# Altium PCB Plog_v1.PcbDoc (part 2 of 2)
Units mil, origin at the board's own origin, x right, y up, seen from the top; angles counter-clockwise.
Board outline 3927.17 x 3149.61 mil, 2 copper layers (Top Layer, Bottom Layer); 149 components, 99 nets, 494 pads, 571 vias.
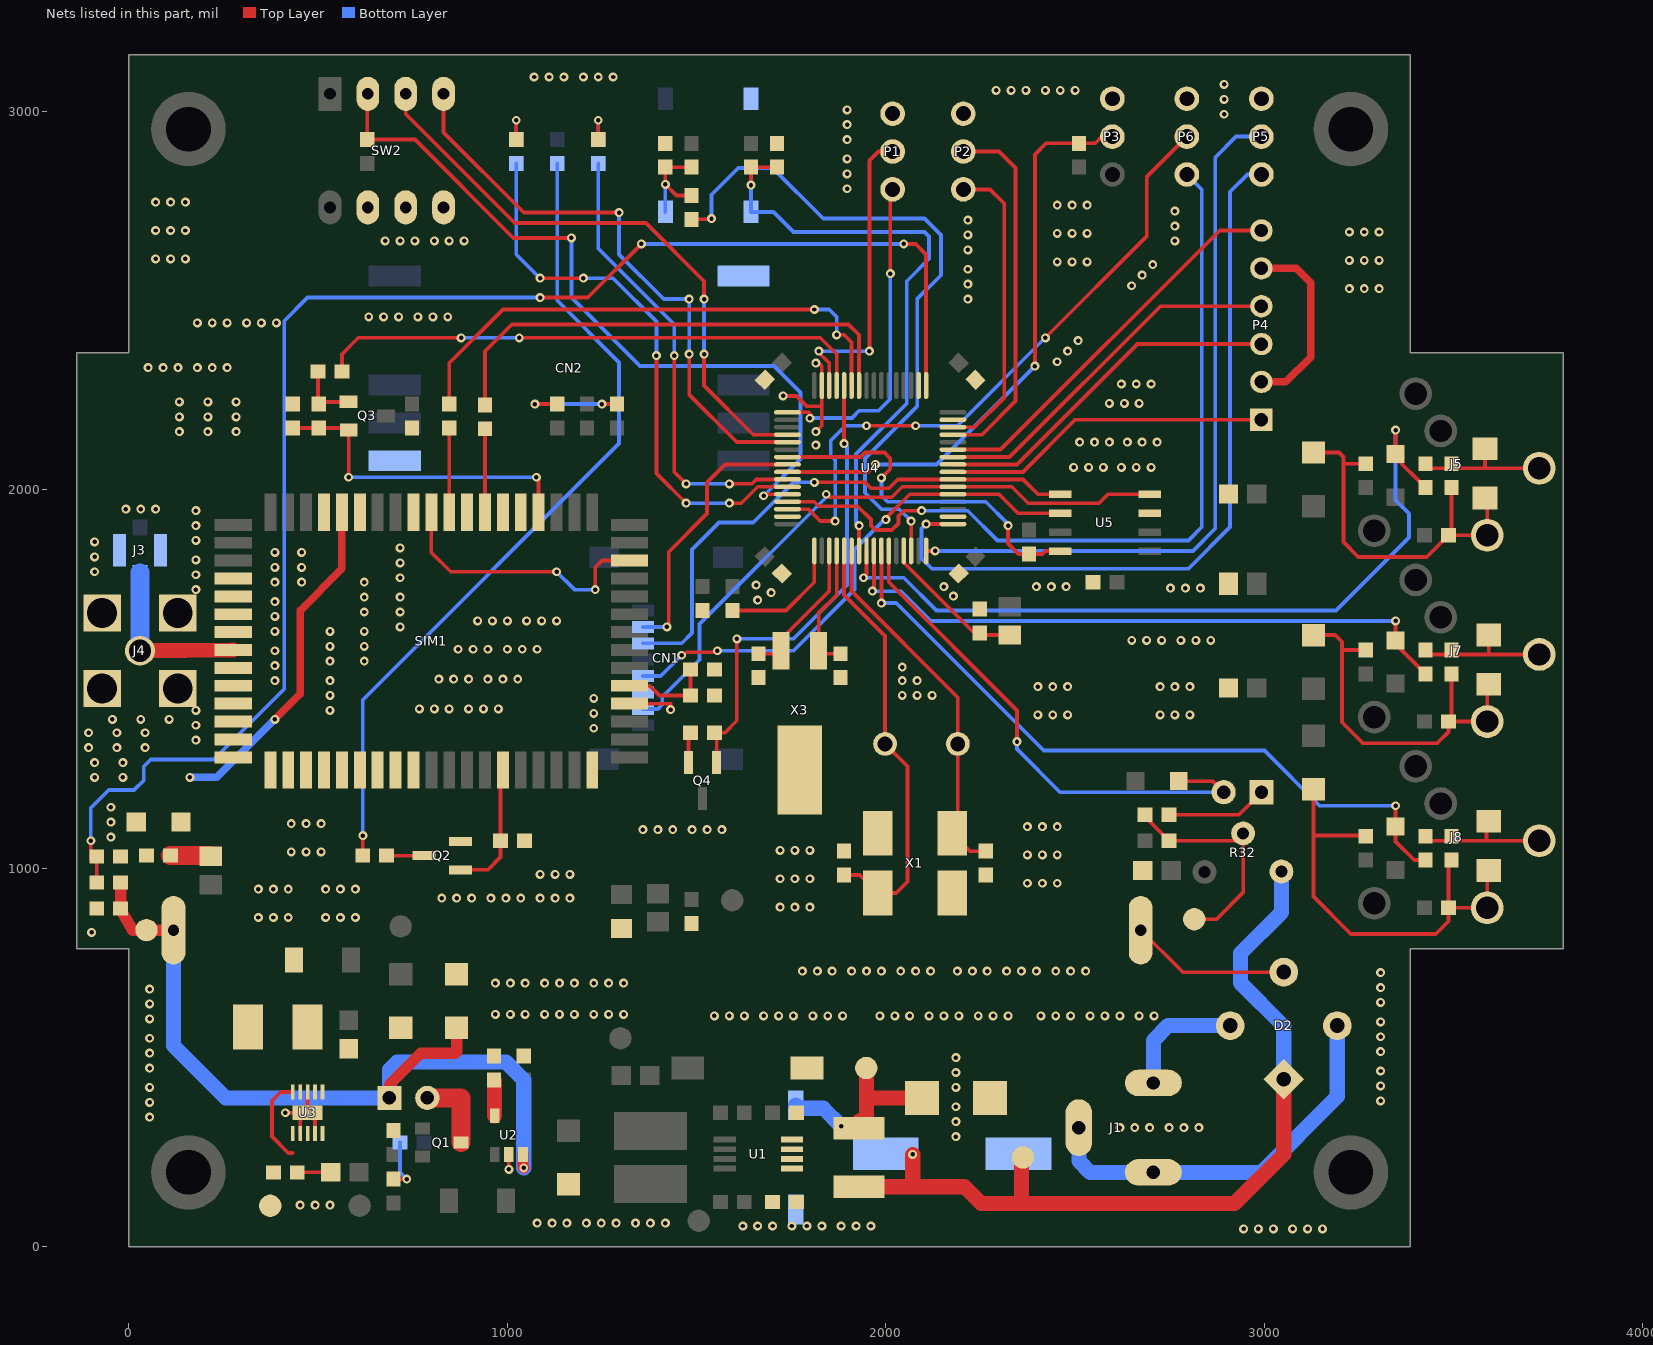
[diagram p2: the nets of this part, all layers, seen from the top]

## Via types
v1: diameter 23.62, hole 11.81, Top Layer to Bottom Layer, tented both sides, 571 vias

## Nets (pads, with @x,y where several pads share a name; then routed paths per layer and width w, separated by ;. In a path a pad name is that pad's centre, name@x,y a point inside that pad or via, vN(x,y) a via of type N, cw(c..) or ccw(c..) an arc to the next point about the centre after c; other vN are vias at no path point) (continued)
GND: BT1.2 C1.2 C2.2 C3.2 C4.2 C6.2 C7.2 C8.2 C9.2 C10.2 C11.2 C12.2 C13.2 C14.2 C15.1 C16.1 C17.1 C18.2 C19.2 C20.2 C21.2 C22.1 C23.2 C24.2 C25.2 C27.2 C28.2 C29.1 C30.2 C31.2 C32.2 CN1.6 CN2.4 CN2.5 D1.1 D2.3 D4.1 J3.P$1 J3.P$2 J4.1 J4.3 J4.4 J4.5 L6.2 P1.1 P2.1 P3.3 P4.2 P4.5 P5.1 P6.1 Q2.2 Q4.2 R4.2 R5.2 R8.2 R17.1 R21.1 R26.1 R28.1 R30.1 R43.2 R44.2 R46.2 RST.1 SIM1.4 SIM1.6 SIM1.9 SIM1.34 SIM1.44 SIM1.45 SIM1.46 SIM1.47 SIM1.48 SIM1.49 SIM1.50 SIM1.51 SIM1.52 SIM1.54 SIM1.55 SIM1.56 SIM1.57 SIM1.58 SIM1.60 SIM1.61 SIM1.62 SIM1.63 SW2.5 SW2.6 SW2.7 TP5.1 U1.1 U1.4 U2.2 U3.3 U3.7 U3.9 U4.18 U4.31 U4.47 U4.63 U5.7 X1.2 X1.4 X3.3 | length 1864.3
  Top Layer w10: v1(413.39,354.33) U3.3@472.44,354.33 ; U3.7@452.76,299.21 452.76,334.65 U3.3@472.44,354.33 ; U3.3@472.44,409.45 U3.3@472.44,354.33 ; U3.9@492.13,299.21 492.13,334.64 U3.3@472.44,354.33 ; v1(1003.94,204.72) U2.2@1003.94,244.09 ; v1(1072.83,2226.38) C32.2@1131.89,2226.38 ; v1(1250,2226.38) C31.2@1289.37,2226.38 ; Q4.2@1478.35,1279.53 R26.1@1478.35,1352.36 ; v1(1728.35,2248.03) 1763.78,2248.03 1791.34,2220.47 1830.71,2220.47 ; v1(1814.96,2153.54) 1830.71,2169.29 1830.71,2220.47 ; v1(1814.96,2334.65) 1822.83,2334.65 1830.71,2326.77 U4.47@1830.71,2275.59 1830.71,2220.47 ; BT1.2@2673.23,836.61 2784.08,725.76 D2.3@3051.18,725.76
  Top Layer w20: P4.2@2992.13,2285.04 3056.69,2285.04 3122.05,2350.39 3122.05,2547.24 3084.25,2585.04 P4.5@2992.13,2585.04
  Bottom Layer w10: v1(1072.83,2226.38) v1(1250,2226.38)
  other v1: 2944.88,47.24 2984.25,47.24 3023.62,47.24 3074.8,47.24 3114.17,47.24 3153.54,47.24 1622.05,55.12 1661.42,55.12 1700.79,55.12 1751.97,55.12 1791.34,55.12 1830.71,55.12 1881.89,55.12 1921.26,55.12 1960.63,55.12 1078.74,62.99 1118.11,62.99 1157.48,62.99 1208.66,62.99 1248.03,62.99 1287.4,62.99 1338.58,62.99 1377.95,62.99 1417.32,62.99 452.76,110.24 492.13,110.24 531.5,110.24 2185.04,291.34 2618.11,314.96 2657.48,314.96 2696.85,314.96 2748.03,314.96 2787.4,314.96 2826.77,314.96 2185.04,330.71 55.12,342.52 2185.04,370.08 55.12,381.89 3307.09,385.83 55.12,421.26 2185.04,421.26 3307.09,425.2 2185.04,460.63 3307.09,464.57 55.12,472.44 2185.04,500 55.12,511.81 3307.09,515.75 55.12,551.18 3307.09,555.12 3307.09,594.49 55.12,602.36 1547.24,610.24 1586.61,610.24 1625.98,610.24 1677.17,610.24 1716.54,610.24 1755.91,610.24 1807.09,610.24 1846.46,610.24 1885.83,610.24 1984.25,610.24 2023.62,610.24 2062.99,610.24 2114.17,610.24 2153.54,610.24 2192.91,610.24 2244.09,610.24 2283.46,610.24 2322.83,610.24 2409.45,610.24 2448.82,610.24 2488.19,610.24 2539.37,610.24 2578.74,610.24 2618.11,610.24 2669.29,610.24 2708.66,610.24 968.5,614.17 1007.87,614.17 1047.24,614.17 1098.43,614.17 1137.8,614.17 1177.17,614.17 1228.35,614.17 1267.72,614.17 1307.09,614.17 55.12,641.73 3307.09,645.67 55.12,681.1 3307.09,685.04 968.5,696.85 1007.87,696.85 1047.24,696.85 1098.43,696.85 1137.8,696.85 1177.17,696.85 1228.35,696.85 1267.72,696.85 1307.09,696.85 3307.09,724.41 1779.53,728.35 1818.9,728.35 1858.27,728.35 1909.45,728.35 1948.82,728.35 1988.19,728.35 2039.37,728.35 2078.74,728.35 2118.11,728.35 2188.98,728.35 2228.35,728.35 2267.72,728.35 2318.9,728.35 2358.27,728.35 2397.64,728.35 2448.82,728.35 2488.19,728.35 2527.56,728.35 -98.43,830.71 342.52,870.08 381.89,870.08 421.26,870.08 519.68,870.08 559.06,870.08 598.43,870.08 1720.47,897.64 1759.84,897.64 1799.21,897.64 826.77,921.26 866.14,921.26 905.51,921.26 956.69,921.26 996.06,921.26 1035.43,921.26 1086.61,921.26 1125.98,921.26 1165.35,921.26 342.52,944.88 381.89,944.88 421.26,944.88 519.68,944.88 559.06,944.88 598.43,944.88 2374.02,960.63 2413.39,960.63 2452.76,960.63 1720.47,972.44 1759.84,972.44 1799.21,972.44 1086.61,984.25 1125.98,984.25 1165.35,984.25 2374.02,1035.43 2413.39,1035.43 2452.76,1035.43 429.13,1043.31 468.5,1043.31 507.87,1043.31 1720.47,1047.24 1759.84,1047.24 1799.21,1047.24 -47.24,1082.68 1358.27,1102.36 1397.64,1102.36 1437.01,1102.36 1488.19,1102.36 1527.56,1102.36 1566.93,1102.36 2374.02,1110.24 2413.39,1110.24 2452.76,1110.24 429.13,1118.11 468.5,1118.11 507.87,1118.11 -47.24,1122.05 -47.24,1161.42 -90.55,1240.16 -15.75,1240.16 -90.55,1279.53 -15.75,1279.53 -106.3,1318.9 -31.5,1318.9 43.31,1318.9 177.17,1338.58 -106.3,1358.27 -31.5,1358.27 43.31,1358.27 1228.35,1370.08 177.17,1377.95 -43.31,1393.7 31.5,1393.7 106.3,1393.7 2401.57,1405.51 2440.94,1405.51 2480.31,1405.51 2724.41,1405.51 2763.78,1405.51 2803.15,1405.51 1228.35,1409.45 177.17,1417.32 531.5,1417.32 767.72,1421.26 807.09,1421.26 846.46,1421.26 897.64,1421.26 937.01,1421.26 976.38,1421.26 1228.35,1448.82 531.5,1456.69 2043.31,1456.69 2082.68,1456.69 2122.05,1456.69 2401.57,1480.32 2440.94,1480.32 2480.31,1480.32 2724.41,1480.32 2763.78,1480.32 2803.15,1480.32 385.83,1496.06 531.5,1496.06 2043.31,1496.06 2082.68,1496.06 818.9,1500 858.27,1500 897.64,1500 948.82,1500 988.19,1500 1027.56,1500 2043.31,1531.5 385.83,1535.43 531.5,1547.24 622.05,1547.24 385.83,1574.8 870.08,1578.74 909.45,1578.74 948.82,1578.74 1000,1578.74 1039.37,1578.74 1078.74,1578.74 531.5,1586.61 622.05,1586.61 2649.61,1602.36 2688.98,1602.36 2728.35,1602.36 2779.53,1602.36 2818.9,1602.36 2858.27,1602.36 385.83,1625.98 531.5,1625.98 622.05,1625.98 716.54,1637.8 921.26,1653.54 960.63,1653.54 1000,1653.54 1051.18,1653.54 1090.55,1653.54 1129.92,1653.54 385.83,1665.35 622.05,1677.17 716.54,1677.17 385.83,1704.72 1661.42,1708.66 622.05,1716.54 716.54,1716.54 2178.6,1719.04 1696.85,1728.35 177.17,1736.22 2751.97,1740.16 2791.34,1740.16 2830.71,1740.16 2153.54,1744.09 2397.64,1744.09 2437.01,1744.09 2476.38,1744.09 1657.48,1748.03 385.83,1755.91 456.69,1755.91 622.05,1755.91 716.54,1767.72 177.17,1775.59 -90.55,1783.46 385.83,1795.28 456.69,1795.28 716.54,1807.09 177.17,1814.96 -90.55,1822.83 385.83,1834.65 456.69,1834.65 716.54,1846.46 -90.55,1862.2 177.17,1866.14 177.17,1905.51 177.17,1944.88 -7.87,1948.82 31.5,1948.82 70.87,1948.82 2496.06,2059.06 2535.43,2059.06 2574.8,2059.06 2622.05,2059.06 2661.42,2059.06 2700.79,2059.06 1814.96,2118.11 2511.81,2125.98 2551.18,2125.98 2590.55,2125.98 2637.8,2125.98 2677.17,2125.98 2716.54,2125.98 133.86,2153.54 208.66,2153.54 283.46,2153.54 133.86,2192.91 208.66,2192.91 283.46,2192.91 2590.55,2228.35 2629.92,2228.35 2669.29,2228.35 133.86,2232.28 208.66,2232.28 283.46,2232.28 2622.05,2279.53 2661.42,2279.53 2700.79,2279.53 51.18,2322.83 90.55,2322.83 129.92,2322.83 181.1,2322.83 220.47,2322.83 259.84,2322.83 2452.48,2338.3 2480.31,2366.14 2508.15,2393.98 181.1,2440.94 220.47,2440.94 259.84,2440.94 311.02,2440.94 350.39,2440.94 389.76,2440.94 633.86,2456.69 673.23,2456.69 712.6,2456.69 763.78,2456.69 803.15,2456.69 842.52,2456.69 2216.54,2503.94 3224.41,2531.5 3263.78,2531.5 3303.15,2531.5 2649.33,2539.09 2216.54,2543.31 2677.17,2566.93 2216.54,2582.68 2705,2594.77 2452.76,2602.36 2492.13,2602.36 2531.5,2602.36 3224.41,2606.3 3263.78,2606.3 3303.15,2606.3 70.87,2610.24 110.24,2610.24 149.61,2610.24 2216.54,2633.86 677.17,2657.48 716.54,2657.48 755.91,2657.48 807.09,2657.48 846.46,2657.48 885.83,2657.48 2763.78,2657.48 2216.54,2673.23 2452.76,2677.17 2492.13,2677.17 2531.5,2677.17 3224.41,2681.1 3263.78,2681.1 3303.15,2681.1 70.87,2685.04 110.24,2685.04 149.61,2685.04 2763.78,2696.85 2216.54,2712.6 2763.78,2736.22 2452.76,2751.97 2492.13,2751.97 2531.5,2751.97 70.87,2759.84 110.24,2759.84 149.61,2759.84 1897.64,2795.28 1897.64,2834.65 1897.64,2874.02 1897.64,2925.2 1897.64,2964.57 2893.7,2992.13 1897.64,3003.94 2893.7,3031.5 2291.34,3055.12 2330.71,3055.12 2370.08,3055.12 2421.26,3055.12 2460.63,3055.12 2500,3055.12 2893.7,3070.87 1070.87,3090.55 1110.24,3090.55 1149.61,3090.55 1200.79,3090.55 1240.16,3090.55 1279.53,3090.55
GSM_ON: R23.2 U4.45 | length 1470.9
  Top Layer w10: R23.2@562.99,2312.99 562.99,2358.27 606.29,2401.57 v1(877.95,2401.57) ; v1(1031.49,2401.57) 1791.34,2401.57 1826.77,2401.57 1870.08,2358.27 U4.45@1870.08,2275.59
  Bottom Layer w10: v1(877.95,2401.57) v1(1031.49,2401.57)
GSM_ON_R: Q3.3 R23.1 R24.2 | length 157.5
  Top Layer w10: R24.2@500,2228.35 R23.1@500,2312.99 ; R24.2@507.87,2232.28 Q3.3@580.71,2232.28
GSM_RST: Q4.1 R26.2 U4.44 | length 1242.3
  Top Layer w10: R26.2@1547.24,1358.27 1574.8,1358.27 1606.3,1389.76 v1(1606.3,1606.3) ; Q4.1@1553.15,1279.53 R26.2@1553.15,1352.36 ; v1(1889.76,2122.05) U4.44@1889.76,2275.59
  Bottom Layer w10: v1(1606.3,1606.3) 1755.91,1606.3 1897.64,1748.03 1897.64,2114.17 v1(1889.76,2122.05)
GSM_RX_R: R19.1 SIM1.11 | length 222.4
  Top Layer w10: SIM1.11@846.46,1940.94 R19.1@846.46,2163.39
GSM_TX_R: R20.1 SIM1.13 | length 220.5
  Top Layer w10: SIM1.13@940.94,1940.94 R20.1@940.94,2161.42
GSM_TXD1: R27.2 R28.2 SIM1.29 | length 240.9
  Top Layer w10: SIM1.29@1322.83,1482.28 1375.98,1482.28 1401.57,1456.69 R28.2@1484.25,1456.69 R27.2@1484.25,1525.59
GSM_VDDLP: C30.1 Q3.1 R24.1 SIM1.16 | length 857.5
  Top Layer w10: C30.1@433.07,2163.39 R24.1@501.97,2163.39 Q3.1@575.42,2163.39 ; v1(580.92,2033.25) Q3.1@580.92,2157.88 ; v1(1076.56,2033.25) 1082.68,2027.14 SIM1.16@1082.68,1940.94
  Bottom Layer w10: v1(580.92,2033.25) v1(1076.56,2033.25)
LED_STATUS: Q2.1 R21.2 SIM1.39 | length 344.6
  Top Layer w10: Q2.1@875.98,996.06 948.82,996.06 982.28,1029.53 R21.2@982.28,1072.83 SIM1.39@982.28,1253.94
NetC5_1: C5.1 R32.2 R33.2 TP10.1 | length 613.7
  Top Layer w10: R33.2@2685.04,1141.73 2685.04,1135.83 C5.1@2748.03,1072.83 2924.23,1072.83 R32.2@2943.91,1092.52 2943.91,936.04 2873.57,865.69 TP10.1@2814.82,865.69
NetC6_1: C6.1 D2.1 F1.1 R32.1 TP1.1 | length 2240.4
  Top Layer w40: F1.1@1929.13,158.86 2062.99,158.86 ; v1(2070.87,244.09) 2070.87,166.73 2062.99,158.86 ; TP1.1@2358.27,232.28 2358.27,114.17 ; D2.1@3051.18,442.91 3051.18,244.09 2921.26,114.17 2358.27,114.17 ; 2062.99,158.86 2207.28,158.86 2251.97,114.17 2358.27,114.17
  Bottom Layer w40: R32.1@3044.91,991.52 3044.91,883.5 2937.01,775.59 2937.01,696.85 3051.18,582.68 D2.1@3051.18,442.91
NetC14_1: C14.1 L4.1 U4.13 | length 389.9
  Top Layer w10: U4.13@2047.24,1838.58 2047.24,1807.75 2238.64,1616.35 L4.1@2327.05,1616.35
NetC15_2: C15.2 U4.5 X1.1 X2.1 | length 1142.4
  Top Layer w10: C15.2@1889.76,982.28 1931.1,982.28 X1.1@1978.35,935.04 2027.56,935.04 2057.09,964.57 2057.09,1269.69 X2.1@1998.03,1328.74 1998.03,1614.17 1889.76,1722.44 U4.5@1889.76,1838.58
NetC16_2: C16.2 U4.6 X1.3 X2.2 | length 955.6
  Top Layer w10: U4.6@1909.45,1838.58 1909.45,1732.28 2190.03,1451.7 X2.2@2190.03,1328.74 X1.3@2190.03,1107.35 ; X1.3@2175.2,1092.52 2222.44,1045.28 C16.2@2263.78,1045.28
NetC17_2: C17.2 U4.3 X3.1 | length 368
  Top Layer w10: C17.2@1663.39,1566.93 X3.1@1714.57,1566.93 ; X3.1@1722.44,1574.8 1722.44,1604.33 1850.39,1732.28 U4.3@1850.39,1838.58
NetC22_2: C22.2 U4.4 X3.2 | length 333.1
  Top Layer w10: X3.2@1822.44,1574.8 1822.44,1674.8 1870.08,1722.44 U4.4@1870.08,1838.58 ; X3.2@1830.31,1566.93 C22.2@1879.92,1566.93
NetC25_1: C25.1 R12.1 RST.2 U4.7 | length 1593.7
  Top Layer w10: v1(1643.7,2805.12) 1643.7,2844.49 1651.57,2852.36 C25.1@1712.6,2852.36 ; U4.7@1929.13,1838.58 v1(1929.13,1905.51)
  Bottom Layer w10: v1(1643.7,2805.12) RST.2@1643.7,2734.25 1702.76,2734.25 1755.91,2681.1 2102.36,2681.1 2114.17,2669.29 2114.17,2610.24 2055.12,2551.18 2055.12,2228.35 1921.26,2094.49 1921.26,1913.39 v1(1929.13,1905.51)
NetC26_1: C26.1 R16.2 R17.2 WAKE.2 | length 268.1
  Top Layer w10: R16.2@1486.22,2777.56 1446.85,2777.56 v1(1417.32,2807.09) R17.2@1417.32,2852.36 C26.1@1486.22,2852.36
  Bottom Layer w10: WAKE.2@1417.32,2734.25 v1(1417.32,2807.09)
NetC33_1: C33.1 J5.5 R34.1 R35.1 R36.1 R37.2 | length 1002.2
  Top Layer w10: C33.1@3129.92,2098.43 3196.85,2098.43 3208.66,2086.61 3208.66,2066.93 ; R36.1@3267.72,2068.9 3210.63,2068.9 3208.66,2066.93 ; R37.2@3486.22,1879.92 3429.13,1822.83 3248.03,1822.83 3208.66,1862.2 3208.66,2066.93 ; R35.1@3494.09,2005.91 3494.09,1887.8 3501.97,1879.92 J5.5@3588.58,1879.92 3588.58,1972.44 R34.1@3582.68,1978.35
NetC34_1: C34.1 J7.5 R39.1 R40.1 R41.1 R42.2 | length 1051
  Top Layer w10: C34.1@3129.92,1616.14 3187.01,1616.14 3204.72,1598.43 3204.72,1385.83 3259.84,1330.71 3456.69,1330.71 3486.22,1360.24 R42.2@3486.22,1387.8 ; 3206.69,1576.77 R41.1@3267.72,1576.77 ; R40.1@3494.09,1513.78 3494.09,1395.67 R42.2@3486.22,1387.8 ; R39.1@3570.87,1500 3588.58,1482.28 J7.5@3588.58,1387.8 R42.2@3486.22,1387.8
NetC35_1: C35.1 J8.5 R47.1 R48.1 R49.1 R50.2 | length 1191.8
  Top Layer w10: C35.1@3129.92,1208.66 3129.92,1086.61 ; R49.1@3265.75,1086.61 3129.92,1086.61 ; R48.1@3494.09,1021.65 3486.22,1013.78 R50.2@3486.22,895.67 ; R47.1@3588.58,990.16 J8.5@3588.58,895.67 R50.2@3486.22,895.67 ; 3129.92,1086.61 3129.92,925.2 3228.35,826.77 3452.76,826.77 3486.22,860.24 R50.2@3486.22,895.67
NetCN1_2: CN1.2 U4.56 | length 721.1
  Top Layer w10: v1(1421.26,1637.8) 1426.26,1642.8 1426.26,1835.71 1527.56,1937.01 1527.56,2019.69 1574.8,2066.93 U4.56@1740.16,2066.93
  Bottom Layer w10: CN1.2@1358.27,1637.8 v1(1421.26,1637.8)
NetCN1_3: CN1.3 U4.23 U5.1 | length 1440.2
  Top Layer w10: v1(1811.02,2019.69) 1944.88,2019.69 1960.63,2003.94 2007.87,2003.94 2031.5,2027.56 U4.23@2177.17,2027.56 2362.2,2027.56 2401.57,1988.19 U5.1@2460.63,1988.19
  Bottom Layer w10: CN1.3@1358.27,1594.49 1460.63,1594.49 1488.19,1622.05 1488.19,1842.52 1559.06,1913.39 1649.61,1913.39 1755.91,2019.69 v1(1811.02,2019.69)
NetCN1_5: CN1.5 U4.21 U5.2 | length 1386.6
  Top Layer w10: v1(1460.63,1562.99) 1464.56,1562.99 1472.44,1570.87 1551.18,1570.87 v1(1555.12,1574.8) ; v1(2000,1921.26) 2000,1925.2 2062.99,1988.19 U4.21@2177.17,1988.19 2299.21,1988.19 2349.21,1938.19 U5.2@2460.63,1938.19
  Bottom Layer w10: CN1.5@1358.27,1507.87 1405.51,1507.87 v1(1460.63,1562.99) ; v1(1555.12,1574.8) 1755.91,1574.8 1917.32,1736.22 1917.32,1842.52 1996.06,1921.26 v1(2000,1921.26)
NetCN1_7: CN1.7 U4.22 U5.8 | length 1687.3
  Top Layer w10: v1(1842.52,1988.19) 1850.39,1980.32 2015.75,1980.32 2043.31,2007.87 U4.22@2177.17,2007.87 2332.68,2007.87 2375.98,1964.57 2562.99,1964.57 2586.61,1988.19 U5.8@2696.85,1988.19
  Bottom Layer w10: CN1.7@1358.27,1421.26 1397.64,1421.26 1409.45,1433.07 1409.45,1452.76 1507.87,1551.18 1507.87,1645.67 1842.52,1980.31 v1(1842.52,1988.19)
NetD2_2: D2.2 J1.2 J1.3 | length 1053.6
  Bottom Layer w40: J1.3@2509.84,314.96 2509.84,226.38 2539.37,196.85 J1.2@2706.69,196.85 2992.13,196.85 3192.6,397.33 D2.2@3192.6,584.33
NetD2_4: D2.4 J1.1 | length 331.5
  Bottom Layer w40: J1.1@2706.69,433.07 2706.69,545.28 2745.75,584.33 D2.4@2909.76,584.33
NetD5_1: ERR.1 R13.1 | length 102.4
  Top Layer w10: R13.1@1023.62,2925.2 v1(1023.62,2976.38)
  Bottom Layer w10: ERR.1@1023.63,2925.2 v1(1023.62,2976.38)
NetD5_2: ERR.2 U4.59 | length 1485.5
  Top Layer w10: v1(1086.61,2559.06) v1(1200.79,2559.06) ; v1(1393.7,2354.33) 1393.7,2043.31 v1(1472.44,1964.57) ; v1(1586.61,1964.57) 1618.11,1964.57 1661.42,2007.87 U4.59@1740.16,2007.87
  Bottom Layer w10: ERR.2@1023.63,2862.21 1023.63,2622.04 v1(1086.61,2559.06) ; v1(1200.79,2559.06) 1279.53,2559.06 1393.7,2444.88 v1(1393.7,2354.33) ; v1(1472.44,1964.57) 1476.38,1968.5 1480.31,1964.57 v1(1586.61,1964.57)
NetD6_1: R14.1 RUN.1 | length 102.3
  Top Layer w10: R14.1@1240.16,2925.2 v1(1240.15,2976.37)
  Bottom Layer w10: RUN.1@1240.15,2925.2 v1(1240.15,2976.37)
NetD6_2: RUN.2 U4.58 | length 1215.3
  Top Layer w10: v1(1440.94,2354.33) 1440.94,2047.24 v1(1472.44,2015.75) ; v1(1586.61,2015.75) 1645.67,2015.75 1657.48,2027.56 U4.58@1740.16,2027.56
  Bottom Layer w10: RUN.2@1240.15,2862.21 1240.15,2637.8 1440.94,2437.01 v1(1440.94,2354.33) ; v1(1472.44,2015.75) v1(1586.61,2015.75)
NetD7_2: D7.2 R31.2 U4.8 | length 2113.2
  Top Layer w10: v1(1940.94,1767.72) 1948.82,1775.59 U4.8@1948.82,1838.58 ; v1(3346.46,2157.48) D7.2@3346.46,2094.49 3346.46,2084.65 R31.2@3425.2,2005.91
  Bottom Layer w10: v1(1940.94,1767.72) 2047.24,1767.72 2133.86,1681.1 3188.98,1681.1 3381.89,1874.02 3381.89,1937.01 3346.46,1972.44 v1(3346.46,2157.48)
NetD8_2: D8.2 U4.11 Vac_sen_en.2 | length 1387.7
  Top Layer w10: U4.11@2007.87,1838.58 2007.87,1755.91 2346.46,1417.32 v1(2346.46,1334.65) ; D8.2@2773.62,1230.32 2863.05,1230.32 Vac_sen_en.2@2892.31,1201.06
  Bottom Layer w10: v1(2346.46,1334.65) 2346.46,1314.96 2460.35,1201.06 Vac_sen_en.2@2892.31,1201.06
NetD9_2: D9.2 R38.2 U4.9 | length 1694.8
  Top Layer w10: v1(1964.56,1732.28) 1968.5,1736.22 U4.9@1968.5,1838.58 ; v1(3346.46,1653.54) D9.2@3346.46,1602.36 3346.46,1592.52 R38.2@3425.2,1513.78
  Bottom Layer w10: v1(1964.56,1732.28) 2039.37,1732.28 2118.11,1653.54 v1(3346.46,1653.54)
NetD10_2: D10.2 R45.2 U4.10 | length 1911.5
  Top Layer w10: v1(1988.19,1700.79) U4.10@1988.19,1838.58 ; v1(3346.46,1165.35) D10.2@3346.46,1110.24 3346.46,1070.87 3395.67,1021.65 R45.2@3425.2,1021.65
  Bottom Layer w10: v1(1988.19,1700.79) 2027.56,1700.79 2417.32,1311.02 3000,1311.02 3145.67,1165.35 v1(3346.46,1165.35)
NetJ2_2: Batt_en.2 Q1.3 | length 188.1
  Top Layer w50: Batt_en.2@807.94,393.7 877.95,393.7 Q1.3@877.95,275.59
NetJ5_1: J5.1 R31.1 R34.2 R35.2 | length 353.4
  Top Layer w10: R31.1@3425.2,2068.9 3437.01,2057.09 J5.1@3726.38,2057.09 ; 3582.68,2061.02 R34.2@3582.68,2108.35
NetJ6_1: R33.1 Vac_sen_en.1 | length 268.9
  Top Layer w10: R33.1@2748.03,1141.73 2932.98,1141.73 Vac_sen_en.1@2992.31,1201.06
NetJ7_1: J7.1 R38.1 R39.2 R40.2 | length 351.4
  Top Layer w10: R38.1@3425.2,1576.77 3437.01,1564.96 J7.1@3726.38,1564.96 ; 3592.52,1570.87 R39.2@3592.52,1616.22
NetJ8_1: J8.1 R45.1 R47.2 R48.2 | length 334.7
  Top Layer w10: R45.1@3437.01,1072.83 3586.61,1072.83 ; R47.2@3586.61,1118.19 3586.61,1072.83 ; J8.1@3726.38,1072.83 3586.61,1072.83
NetL2_1: L2.1 U3.4
NetL2_2: L2.2 U3.2
NetLED1_2: GSM.2 R18.2 | length 2176.9
  Top Layer w10: R18.2@618.11,1033.46 v1(618.11,1086.61)
  Bottom Layer w10: v1(618.11,1086.61) 618.11,1444.88 1295.28,2122.05 1295.28,2336.62 1131.89,2500 GSM.2@1131.89,2862.21
NetLED_Charge_2: Charge.2 R22.2 | length 139.2
  Top Layer w10: R22.2@698.82,179.13 v1(734.25,179.13)
  Bottom Layer w10: Charge.2@716.54,275.59 716.54,196.85 v1(734.25,179.13)
NetP1_2: P1.2 U4.46 | length 816.1
  Top Layer w10: v1(1822.83,2366.14) 1818.9,2366.14 1850.39,2334.65 U4.46@1850.39,2275.59 ; v1(1956.69,2366.14) 1956.69,2870.08 1980.31,2893.7 P1.2@2017.72,2893.7
  Bottom Layer w10: v1(1822.83,2366.14) v1(1956.69,2366.14)
NetP1_3: P1.3 U4.49 | length 865.5
  Top Layer w10: U4.49@1740.16,2204.72 1795.28,2204.72 1803.15,2196.85 1799.21,2192.91 v1(1799.21,2188.98) ; v1(2011.81,2570.87) 2011.81,2787.8 P1.3@2017.72,2793.7
  Bottom Layer w10: v1(1799.21,2188.98) 1800.28,2190.04 1910.51,2190.04 1929.13,2208.66 1980.31,2208.66 2011.81,2240.16 v1(2011.81,2570.87)
NetP2_2: P2.2 U4.29 | length 973.9
  Top Layer w10: U4.29@2177.17,2145.67 2253.94,2145.67 2342.52,2234.25 2342.52,2850.39 2299.21,2893.7 P2.2@2204.72,2893.7
NetP2_3: P2.3 U4.30 | length 804.2
  Top Layer w10: U4.30@2177.17,2165.35 2234.25,2165.35 2312.99,2244.09 2312.99,2755.91 2275.2,2793.7 P2.3@2204.72,2793.7
NetP3_2: P3.2 R15.2 U4.57 | length 1552.7
  Top Layer w10: U4.57@1740.16,2047.24 1952.76,2047.24 v1(1972.44,2066.93) ; v1(2393.7,2326.77) 2393.7,2885.83 2423.23,2915.35 R15.2@2509.84,2915.35 2553.15,2915.35 2570.87,2933.07 P3.2@2598.43,2933.07
  Bottom Layer w10: v1(1972.44,2066.93) 2133.86,2066.93 v1(2393.7,2326.77)
NetP4_1: P4.1 U4.24 | length 872
  Top Layer w10: U4.24@2177.17,2047.24 2362.2,2047.24 2500,2185.04 P4.1@2992.13,2185.04
NetP4_3: P4.3 U4.25 | length 946.7
  Top Layer w10: U4.25@2177.17,2066.93 2346.46,2066.93 2664.57,2385.04 P4.3@2992.13,2385.04
NetP4_4: P4.4 U4.26 | length 980
  Top Layer w10: U4.26@2177.17,2086.61 2326.77,2086.61 2725.2,2485.04 P4.4@2992.13,2485.04
NetP4_6: P4.6 U4.27 | length 1054.7
  Top Layer w10: U4.27@2177.17,2106.3 2303.15,2106.3 2881.89,2685.04 P4.6@2992.13,2685.04
NetP5_2: P5.2 U4.16 | length 1913.4
  Top Layer w10: U4.16@2106.3,1838.58 v1(2129.92,1838.58)
  Bottom Layer w10: v1(2129.92,1838.58) 2811.02,1838.58 2870.08,1897.64 2870.08,2877.95 2925.2,2933.07 P5.2@2992.13,2933.07
NetP5_3: P5.3 U4.17 | length 2025.8
  Top Layer w10: v1(2106.3,1909.45) U4.17@2177.17,1909.45
  Bottom Layer w10: v1(2106.3,1909.45) 2094.49,1897.64 2094.49,1818.9 2122.05,1791.34 2799.21,1791.34 2909.45,1901.57 2909.45,2787.4 2955.12,2833.07 P5.3@2992.13,2833.07
NetP6_2: P6.2 U4.62 | length 1722.4
  Top Layer w10: U4.62@1740.16,1948.82 1795.28,1948.82 1826.77,1917.32 v1(1866.14,1917.32) ; v1(1948.82,2169.29) v1(2078.74,2169.29) ; v1(2421.26,2401.57) 2688.98,2669.29 2688.98,2826.77 P6.2@2795.28,2933.07
  Bottom Layer w10: v1(1866.14,1917.32) 1866.14,2078.74 1854.33,2090.55 1854.33,2129.92 1893.7,2169.29 v1(1948.82,2169.29) ; v1(2078.74,2169.29) 2188.98,2169.29 v1(2421.26,2401.57)
NetP6_3: P6.3 U4.61 | length 2162.5
  Top Layer w10: U4.61@1740.16,1968.5 1811.02,1968.5 1822.83,1956.69 1925.2,1956.69 1960.63,1921.26 1960.63,1905.51 1972.44,1893.7 2015.75,1893.7 2033.46,1911.42 2033.46,1931.1 2047.24,1944.88 v1(2094.49,1944.88)
  Bottom Layer w10: v1(2094.49,1944.88) 2216.54,1944.88 2295.28,1866.14 2799.21,1866.14 2834.65,1901.57 2834.65,2793.7 P6.3@2795.28,2833.07
NetP7_2: SIM1.30 | length 126.8
  Top Layer w10: SIM1.30@1322.83,1435.04 1431.1,1435.04 v1(1431.1,1419.29)
  Bottom Layer w10: v1@1429.13,1417.32 v1(1431.1,1419.29)
NetP7_3: R27.1
NetQ2_3: Q2.3 R18.1 | length 99.4
  Top Layer w10: R18.1@681.1,1033.46 Q2.3@780.51,1033.46
NetR8_1: R8.1 U2.5 | length 92.5
  Top Layer w40: U2.5@966.54,346.46 R8.1@966.54,438.98
NetR9_1: R9.1 U4.1 | length 330.2
  Top Layer w10: R9.1@1594.49,1681.1 1736.22,1681.1 1811.02,1755.91 U4.1@1811.02,1838.58
NetR10_1: R10.1 U4.55 U5.4 | length 960.4
  Top Layer w10: U4.55@1740.16,2086.61 1933.07,2086.61 1944.88,2098.43 1996.06,2098.43 2011.81,2082.68 2011.81,2055.12 v1(1988.19,2031.5) ; v1(2322.83,1905.51) 2322.83,1858.27 2350.39,1830.71 R10.1@2377.95,1830.71 2413.39,1830.71 2420.87,1838.19 U5.4@2460.63,1838.19
  Bottom Layer w10: v1(1988.19,2031.5) 1988.19,1984.25 2003.94,1968.5 2263.78,1968.5 2322.83,1909.45 v1(2322.83,1905.51)
NetR11_1: R11.1 SW2.2 U4.60 | length 2010.4
  Top Layer w10: SW2.2@629.92,3044.49 R11.1@629.92,2925.2 755.91,2925.2 1015.75,2665.35 v1(1169.29,2665.35) ; v1(1677.16,1984.25) 1681.1,1988.19 U4.60@1740.16,1988.19
  Bottom Layer w10: v1(1169.29,2665.35) 1169.29,2507.87 1350.39,2326.77 1704.72,2326.77 1774.33,2257.17 1774.33,2081.41 v1(1677.16,1984.25)
NetR16_1: R16.1 U4.14 | length 1821.2
  Top Layer w10: R16.1@1486.22,2714.57 v1@1539.37,2714.57 ; U4.14@2066.93,1838.58 v1(2066.93,1917.32)
  Bottom Layer w10: v1(1539.37,2716.54) 1539.37,2779.53 1610.24,2850.39 1700.79,2850.39 1834.65,2716.54 2102.36,2716.54 2145.67,2673.23 2145.67,2566.93 2082.68,2503.94 2082.68,2220.47 1944.88,2082.68 1944.88,1992.13 1988.19,1948.82 2035.43,1948.82 v1(2066.93,1917.32)
NetR19_2: R19.2 U4.43 | length 1407.7
  Top Layer w10: R19.2@846.46,2226.38 846.46,2334.65 988.19,2476.38 v1(1811.02,2476.38) ; v1(1870.08,2409.45) 1889.76,2409.45 1909.45,2389.76 U4.43@1909.45,2275.59
  Bottom Layer w10: v1(1811.02,2476.38) 1850.39,2476.38 1870.08,2456.69 v1(1870.08,2409.45)
NetR20_2: R20.2 U4.42 | length 1304.5
  Top Layer w10: R20.2@940.94,2224.41 940.94,2366.14 1011.81,2437.01 1901.57,2437.01 1929.13,2409.45 U4.42@1929.13,2275.59
NetR29_2: R29.2 R30.2 U4.33 | length 3977.5
  Top Layer w10: R30.2@-100.39,1023.62 v1(-100.39,1072.83) ; R29.2@-84.65,962.6 R30.2@-84.65,1031.5 ; v1(1086.61,2507.87) 1212.6,2507.87 v1(1354.33,2649.61) ; v1(2047.24,2649.61) 2078.74,2649.61 2106.3,2622.05 U4.33@2106.3,2275.59
  Bottom Layer w10: v1(-100.39,1072.83) -100.39,1159.45 -53.15,1206.69 13.78,1206.69 39.37,1232.28 39.37,1268.62 58.15,1287.4 224.41,1287.4 410.51,1473.5 410.51,2445.94 472.44,2507.87 v1(1086.61,2507.87) ; v1(1354.33,2649.61) v1(2047.24,2649.61)
NetSIM1_12: SIM1.12
NetSIM1_14: SIM1.14
NetSIM1_15: SIM1.15
NetSW2_3: SW2.3 U4.52 | length 1574.2
  Top Layer w10: SW2.3@731.5,3046.06 731.5,2992.91 1019.69,2704.72 1366.14,2704.72 1519.68,2551.18 v1(1519.68,2503.94) ; v1(1519.68,2358.27) 1519.68,2275.59 1649.61,2145.67 U4.52@1740.16,2145.67
  Bottom Layer w10: v1(1519.68,2358.27) v1(1519.68,2503.94)
NetSW2_4: SW2.4 U4.53 | length 1561.7
  Top Layer w10: SW2.4@831.5,3046.06 831.5,2944.09 1043.31,2732.28 v1(1295.28,2732.28) ; v1(1480.31,2358.27) 1480.31,2251.97 1606.3,2125.98 U4.53@1740.16,2125.98
  Bottom Layer w10: v1(1295.28,2732.28) 1295.28,2622.05 1413.39,2503.94 v1(1480.31,2503.94) v1(1480.31,2358.27)
NetU4_34: U4.34
RF_OUT: J3.P$3 J4.2 SIM1.59 | length 471.5
  Top Layer w40: J4.2@9.84,1574.8 29.53,1574.95 SIM1.59@275.59,1576.77
  Bottom Layer w49.21: J4.2@29.53,1574.8 J3.P$3@29.53,1780.51
V285: SIM1.10 SIM1.22 | length 737.1
  Top Layer w10: SIM1.10@799.21,1940.94 799.21,1834.65 850.39,1783.46 v1(1129.92,1783.46) ; v1(1232.28,1736.22) 1232.28,1795.28 1250,1812.99 SIM1.22@1322.83,1812.99
  Bottom Layer w10: v1(1129.92,1783.46) 1177.17,1736.22 v1(1232.28,1736.22)
V_GSM: C27.1 C28.1 L5.2 SIM1.5 SIM1.53 | length 1013.5
  Top Layer w20: v1(385.83,1393.7) 452.76,1460.63 452.76,1681.1 562.99,1791.34 SIM1.5@562.99,1940.94
  Top Layer w50: C27.1@110.24,1033.46 L5.2@215.05,1033.46
  Bottom Layer w20: v1(161.42,1240.16) 232.28,1240.16 v1(385.83,1393.7)
VBAT: Batt_en.1 BT1.1 C4.1 C9.1 R29.1 TP6.1 U2.3 | length 2193.8
  Top Layer w30: C4.1@-23.62,893.7 9.84,836.61 BT1.1@118.11,836.61 ; C4.1@-21.65,893.7 R29.1@-21.65,962.6 ; Batt_en.1@688.54,413.11 688.54,428.69 771.65,511.81 862.2,511.81 866.14,515.75 C9.1@866.14,578.74 ; U2.3@1041.34,244.09 1041.34,210.63 v1(1043.31,208.66)
  Bottom Layer w0: 688.54,468.06 688.98,468.06
  Bottom Layer w40: BT1.1@118.11,836.61 118.11,531.5 255.91,393.7 688.54,393.7 688.54,468.06 ; 688.98,468.06 709.1,488.19 996.06,488.19 1043.31,440.94 v1(1043.31,208.66)
VIN_3V3: C11.1 R6.2 U3.5 U3.6 U3.8 | length 320.9
  Top Layer w10: 433.07,248.03 421.26,248.03 377.95,291.34 377.95,385.83 401.57,409.45 U3.5@433.07,409.45 ; C11.1@444.88,196.85 532.98,196.85 R6.2@533.25,197.13
VOUT_3V3: R7.1 U3.1 U3.10
VPP: C1.1 C2.1 D1.2 F1.2 TP2.1 U1.2 U1.3 | length 452
  Top Layer w40: F1.2@1929.13,313.58 F1.2@1929.13,332.82 ; F1.2@1948.37,332.82 1948.37,385.38 ; TP2.1@1948.37,472.58 1948.37,385.38 ; D1.2@2095.04,393.7 1956.69,393.7 1948.37,385.38
  Bottom Layer w40: C1.1@1761.81,374.02 1769.69,366.14 1834.65,366.14 v1(1881.89,318.9)
pads on no net: CN1.1 CN1.8 CN1.9 CN1.10 CN1.11 CN1.12 CN2.6 CN2.8 J3.P$4 J5.2 J5.3 J7.2 J7.3 J8.2 J8.3 SIM1.1 SIM1.2 SIM1.3 SIM1.7 SIM1.23 SIM1.24 SIM1.25 SIM1.26 SIM1.27 SIM1.28 SIM1.31 SIM1.32 SIM1.36 SIM1.37 SIM1.38 SIM1.40 SIM1.41 SIM1.42 SIM1.43 SIM1.64 SIM1.65 SIM1.66 U4.2 U4.15 U4.20 U4.28 U4.35 U4.36 U4.37 U4.38 U4.39 U4.40 U4.41 U4.50 U4.51 U4.54

## Polygon pours and split planes (outlines as drawn)
GND on Bottom Layer "Bottom Layer-GND" (solid, pour order 0): 0,0 0,787.4 -137.8,787.4 -137.8,2362.2 0,2362.2 0,3149.61 3385.83,3149.61 3385.83,2362.2 2940.94,2362.2 2940.94,1496.06 2814.96,1370.08 2720.47,1275.59 2720.47,925.2 2791.34,925.2 2905.51,811.02 2929.13,787.4 3385.83,787.4 3385.83,0
AGND on Bottom Layer "Bottom Layer-AGND" (solid, pour order 7): 3789.37,2362.2 2940.94,2362.2 2940.94,1496.06 2720.47,1275.59 2720.47,925.26 2791.27,925.26 2791.34,925.2 2929.13,787.4 3789.37,787.4
GND on Top Layer "Top Layer-GND" (solid, pour order 5): 0,0 0,787.4 -157.48,787.4 -157.48,2362.2 0,2362.2 0,3149.61 3385.83,3149.61 3385.83,2362.2 2940.94,2362.2 2940.94,1496.06 2814.96,1370.08 2720.47,1275.59 2720.47,925.2 2791.34,925.2 2905.51,811.02 2929.13,787.4 3385.83,787.4 3385.83,0
AGND on Top Layer "Top Layer-AGND" (solid, pour order 9): 3789.37,2362.2 2940.94,2362.2 2940.94,1496.06 2720.47,1275.59 2720.47,925.26 2791.27,925.26 2791.34,925.2 2929.13,787.4 3789.37,787.4

## Keep-outs
Keep-Out Layer:
  the board outline again, w10

## Other copper
Top Layer:
  region net VPP: 1724.41,263.78 1724.41,224.41 1937.01,224.41 1996.06,283.46 1996.06,342.52 1862.2,342.52 1826.77,307.09 1783.46,263.78
  region net VPP: 1724.41,263.78 1685.04,263.78 1681.1,259.84 1681.1,125.98 1720.47,125.98 1720.47,161.42 1700.79,181.1 1700.79,220.47 1704.72,224.41 1724.41,224.41
  region net 4V3_SW: 1602.36,263.78 1535.43,263.78 1507.87,291.34 1507.87,338.58 1492.13,354.33 1283.46,354.33 1283.46,259.84 1472.44,259.84 1472.44,251.97 1602.36,251.97
  region net 4V3_SW_TP: 1602.36,240.16 1472.44,240.16 1472.44,208.66 1338.58,208.66 1338.58,122.05 1342.52,118.11 1484.25,118.11 1523.62,157.48 1523.62,208.66 1539.37,224.41 1602.36,224.41
  region net 4V3_SW: 1354.33,476.38 1381.89,503.94 1574.8,503.94 1582.68,496.06 1582.68,338.58 1358.27,338.58 1354.33,342.52
  region net VIN_3V3: 559.06,220.47 476.38,220.47 476.38,251.97 476.38,314.96 468.5,314.96 468.5,267.72 437.01,267.72 437.01,314.96 429.13,314.96 429.13,267.72 425.2,267.72 425.2,263.78 425.2,169.29 559.06,169.29
  region net VOUT_3V3: 507.87,389.76 543.31,389.76 543.31,318.9 507.87,318.9 507.87,267.72 519.68,255.91 594.49,255.91 622.05,283.46 622.05,535.43 606.3,551.18 543.31,551.18 527.56,535.43 527.56,476.38 507.87,456.69
  region net VBAT: 1027.56,263.78 1082.68,263.78 1086.61,259.84 1086.61,196.85 1078.74,188.98 1035.43,188.98 1027.56,196.85
  region net VIN_3V3: 429.13,287.4 421.26,287.4 397.64,311.02 397.64,377.95 417.32,397.64 437.01,397.64 437.01,425.2 401.57,425.2 366.14,389.76 366.14,255.91 389.76,232.28 417.32,232.28 429.13,220.47
  region net NetL2_2: 496.06,401.57 496.06,464.57 515.75,484.25 515.75,582.68 503.94,594.49 433.07,594.49 433.07,519.69 488.19,464.57 488.19,417.32
  region net NetL2_1: 456.69,397.64 456.69,437.01 348.43,545.28 275.59,545.28 275.59,484.25 311.02,448.82 433.07,448.82 448.82,433.07 448.82,421.27
  region net V_GSM: 322.83,1307.09 322.83,1027.56 299.21,1003.94 86.61,1003.94 86.61,1051.18 86.61,1244.09 149.61,1307.09
  region net 3V3_MCU: 1248.03,897.64 1547.24,897.64 1547.24,858.27 1645.67,858.27 1645.67,1051.18 1275.59,1051.18 1228.35,1051.18 1228.35,1003.94 1228.35,917.32 1228.35,897.64
  region net 3V3_MCU: 2751.97,1917.32 2751.97,1960.63 2814.96,1960.63 2814.96,1917.32
  region net 3V3_MCU: 2271.65,2464.57 2271.65,2421.26 2208.66,2421.26 2208.66,2464.57
  region net 3V3_MCU: 1854.33,2625.98 1854.33,2582.68 1791.34,2582.68 1791.34,2625.98
  region net 3V3_MCU: 1791.34,2385.83 1791.34,2342.52 1728.35,2342.52 1728.35,2385.83
  region net 3V3_MCU: 1468.5,3066.93 1511.81,3066.93 1519.68,3066.93 1519.68,3035.43 1519.68,3003.94 1511.81,3003.94 1468.5,3003.94
Bottom Layer:
  region net CCIO: 1189.1,2303.15 633.86,2303.15 633.86,2248.15 1189.1,2248.15
  region: 1184.83,2203.15 634.86,2203.15 634.86,2148.15 1184.83,2148.15
  region net GND: 1189.1,2104.15 639.13,2104.15 639.13,2049.15 1189.1,2049.15
  region net VBAT: 1082.68,263.78 1086.61,259.84 1086.61,196.85 1078.74,188.98 1039.37,188.98 1027.56,200.79 1027.56,263.78
  region net 3V3_MCU: 1228.35,1051.18 1338.58,1051.18 1338.58,968.5 1228.35,968.5
  region net 3V3_MCU: 2751.97,1960.63 2814.96,1960.63 2814.96,1917.32 2751.97,1917.32
  region net 3V3_MCU: 2271.65,2421.26 2208.66,2421.26 2208.66,2464.57 2271.65,2464.57
  region net 3V3_MCU: 1854.33,2582.68 1791.34,2582.68 1791.34,2625.98 1854.33,2625.98
  region net 3V3_MCU: 1791.34,2342.52 1728.35,2342.52 1728.35,2385.83 1791.34,2385.83
  region net 3V3_MCU: 1519.68,3066.93 1519.68,3003.94 1468.5,3003.94 1468.5,3066.93

## Silkscreen, mask and mechanical layers (free items; w line width, h text height)
Top Overlay:
  rectangle: 323.59,1308.58 1269.59,1891.58
  lines w10: 205.13,1694.02 331.11,1694.02 ; 205.13,1741.27 335.05,1741.27 ; 205.13,1788.51 331.11,1788.51 ; 205.13,1835.76 331.11,1835.76 ; 205.13,1883 335.05,1883 ; 207.13,1316.02 333.11,1316.02 ; 207.13,1363.27 337.05,1363.27 ; 207.13,1410.51 333.11,1410.51 ; 207.13,1457.76 333.11,1457.76 ; 207.13,1505 337.05,1505 ; 211.13,1553.02 337.11,1553.02 ; 211.13,1600.27 341.05,1600.27 ; 211.13,1647.51 337.11,1647.51 ; 211.13,1694.76 337.11,1694.76 ; 211.13,1742 341.05,1742 ; 350.39,1880.89 350.39,2006.87 ; 351,1195.13 351,1325.05 ; 397.64,1876.95 397.64,2006.87 ; 397.64,1881.89 397.64,2007.87 ; 398.24,1195.13 398.24,1321.11 ; 444.88,1877.95 444.88,2007.87 ; 444.88,1880.89 444.88,2006.87 ; 445.49,1195.13 445.49,1321.11 ; 488.19,1881.89 492.13,1885.83 ; 492.13,1880.89 492.13,2006.87 ; 492.13,1881.89 492.13,2007.87 ; 492.73,1195.13 492.73,1325.05 ; 539,1191.13 539,1321.05 ; 539.37,1876.95 539.37,2006.87 ; 539.37,1881.89 539.37,2007.87 ; 539.98,1195.13 539.98,1321.11 ; 586.24,1191.13 586.24,1317.11 ; 586.61,1877.95 586.61,2007.87 ; 633.49,1191.13 633.49,1317.11 ; 633.86,1881.89 633.86,2007.87 ; 680.73,1191.13 680.73,1321.05 ; 681.1,1877.95 681.1,2007.87 ; 727.98,1191.13 727.98,1317.11 ; 728.35,1881.89 728.35,2007.87 ; 775.59,1881.89 775.59,2007.87 ; 777,1190.13 777,1320.05 ; 822.83,1877.95 822.83,2007.87 ; 824.24,1190.13 824.24,1316.11 ; 870.08,1881.89 870.08,2007.87 ; 871.49,1190.13 871.49,1316.11 ; 917.32,1877.95 917.32,2007.87 ; 918.73,1190.13 918.73,1320.05 ; 964.57,1881.89 964.57,2007.87 ; 965.98,1190.13 965.98,1316.11 ; 1011.81,1881.89 1011.81,2007.87 ; 1012,1191.13 1012,1321.05 ; 1059.06,1877.95 1059.06,2007.87 ; 1059.24,1191.13 1059.24,1317.11 ; 1059.24,1196.13 1059.24,1326.05 ; 1106.3,1881.89 1106.3,2007.87 ; 1106.49,1191.13 1106.49,1317.11 ; 1106.49,1196.13 1106.49,1322.11 ; 1153.54,1877.95 1153.54,2007.87 ; 1153.73,1191.13 1153.73,1321.05 ; 1153.73,1196.13 1153.73,1322.11 ; 1200.79,1881.89 1200.79,2007.87 ; 1200.98,1191.13 1200.98,1317.11 ; 1200.98,1196.13 1200.98,1326.05 ; 1248.03,1881.89 1248.03,2007.87 ; 1248.22,1193 1248.22,1322.11 ; 1258.95,1458 1388.87,1458 ; 1258.95,1599.73 1388.87,1599.73 ; 1260.95,1694 1390.87,1694 ; 1260.95,1835.73 1390.87,1835.73 ; 1262.89,1505.24 1388.87,1505.24 ; 1262.89,1552.49 1388.87,1552.49 ; 1262.89,1646.98 1388.87,1646.98 ; 1262.95,1318 1392.87,1318 ; 1262.95,1459.73 1392.87,1459.73 ; 1264.89,1741.24 1390.87,1741.24 ; 1264.89,1788.49 1390.87,1788.49 ; 1264.89,1882.98 1390.87,1882.98 ; 1266.89,1365.24 1392.87,1365.24 ; 1266.89,1412.49 1392.87,1412.49 ; 1266.89,1506.98 1392.87,1506.98
Bottom Overlay:
  lines w10: 451.5,2834.65 413.39,2796.54 413.39,2795.28 ; 413.39,2795.28 413.39,2578.74 413.39,2570.87 204.72,2570.87 192.91,2570.87 192.91,2795.28 216.54,2795.28 413.39,2795.28
  text "GND" at 2913.39,3110.24 h40 r90
  text "GND" at 3106.3,3102.36 h40 r90
  text "GND" at 2716.54,3086.61 h40 r90
  text ">" at 1929.13,2976.38 h40
  text "GND" at 2377.95,2976.38 h40
  text "SDA" at 2913.39,2976.38 h40 r90
  text "TX" at 3106.3,2964.57 h40 r90
  text "T" at 2716.54,2944.88 h40 r90
  text "3V3" at 2716.54,2881.89 h40 r90
  text "TX" at 2358.27,2874.02 h40
  text "RX" at 3106.3,2854.33 h40 r90
  text "SCL" at 2913.39,2850.39 h40 r90
  text "RX" at 2358.27,2771.65 h40
  text "P / R / O / G" at 2129.92,2755.91 h40
  text "DIO3" at 2854.33,2657.48 h40
  text "Mode 1 / Mode 0 / Boot 0 / Led_en" at 208.66,2590.55 h60 r270
  text "GND" at 2854.33,2559.06 h40
  text "DIO2" at 2854.33,2464.57 h40
  text "DIO1" at 2858.27,2366.14 h40
  text "GND" at 2858.27,2263.78 h40
  text "DIO0" at 2854.33,2169.29 h40
  text "AIN0" at 3168,2147 h40 r90
  text "TRƯỜNG ĐẠI HỌC CÔNG NGHIỆP TPHCM" at 3072,1914 h70
  text "KHOA CÔNG NGHỆ ĐIỆN TỬ" at 2878,1826 h70
  text "ĐỒ ÁN TỐT NGHIỆP" at 2749,1740 h70
  text "--- P.LOG ---" at 2703,1654 h100
  text "AIN1" at 3165,1651 h40 r90
  text "NGUYỄN THỊ PHƯƠNG LIÊN - 14048931 / LÊ NGỌC SANG                      - 14127381" at 3010,1485 h70
  text "P.LOG" at 1161,1484 h250
  text "AIN2" at 3161.42,1307.09 h40 r90
  text "AIN3" at 3011.81,1275.59 h40
Bottom Solder:
  region: 1196.31,2307.15 630.86,2307.15 630.86,2244.15 1196.31,2244.15
  region: 1188.73,2107.15 630.86,2107.15 630.86,2044.15 1188.73,2044.15
  region: 1189.1,2208.15 630.86,2208.15 630.86,2144.15 1189.1,2144.15

## Text inside footprints (layer, text, board x,y; h text height)
C3: Top Overlay "+" at 1455.86,537.44 h39.37
C8: Top Overlay "+" at 1207.42,328.22 h39.37 r270
C9: Top Overlay "+" at 820.14,557.61 h39.37 r90
C10: Top Overlay "+" at 764.5,741.61 h39.37 r270
C33: Top Overlay "+" at 3175.92,2119.56 h39.37 r270
C34: Top Overlay "+" at 3175.92,1637.28 h39.37 r270
C35: Top Overlay "+" at 3083.92,1187.53 h39.37 r90
D2: Bottom Overlay "+" at 3012.29,510.09 h60.8 r225